# Altium PCB Tracker.PcbDoc (part 1 of 2)
Units mil, origin at the board's own origin, x right, y up, seen from the top; angles counter-clockwise.
Board outline 1769.82 x 1209.03 mil, 4 copper layers (Top Layer, Int1 (GND), Int2 (PWR), Bottom Layer), stack 53.912 mil thick; 87 components, 60 nets, 305 pads, 203 vias.
Unrouted connection lines stored in the file: 5.
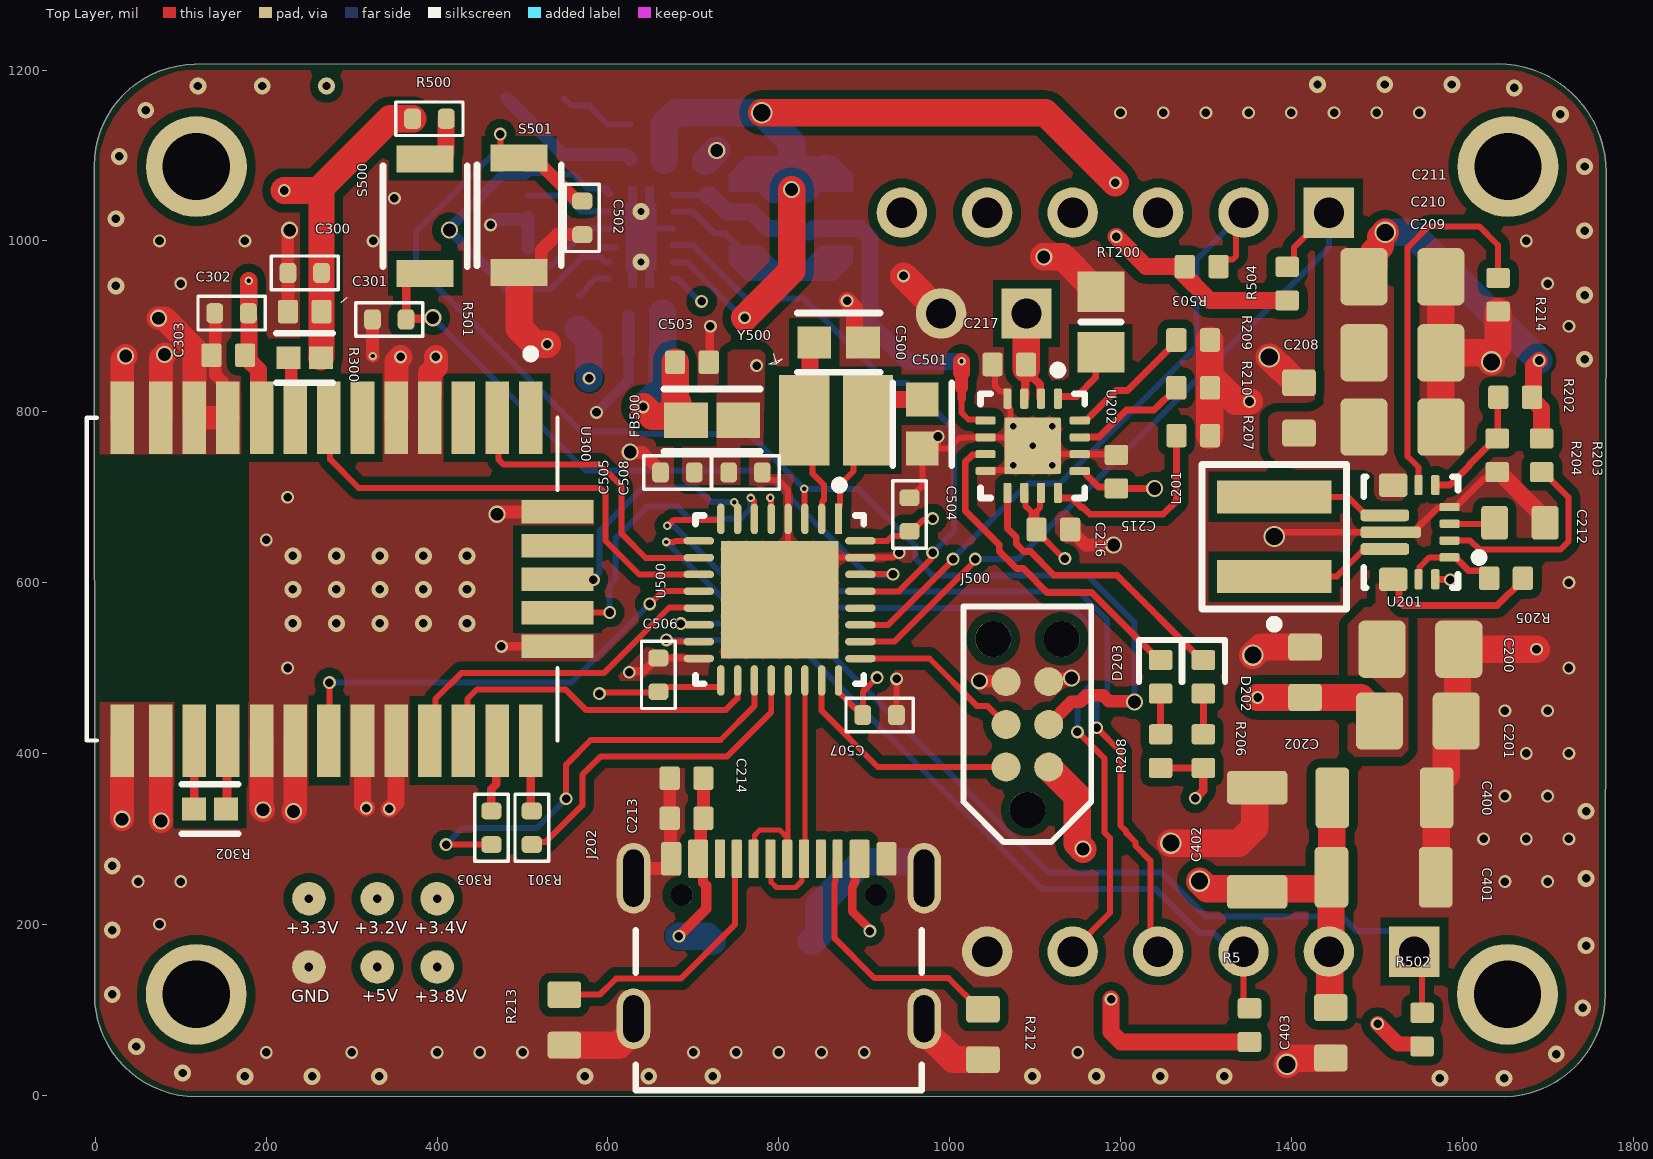
[diagram p0: Top Layer view]
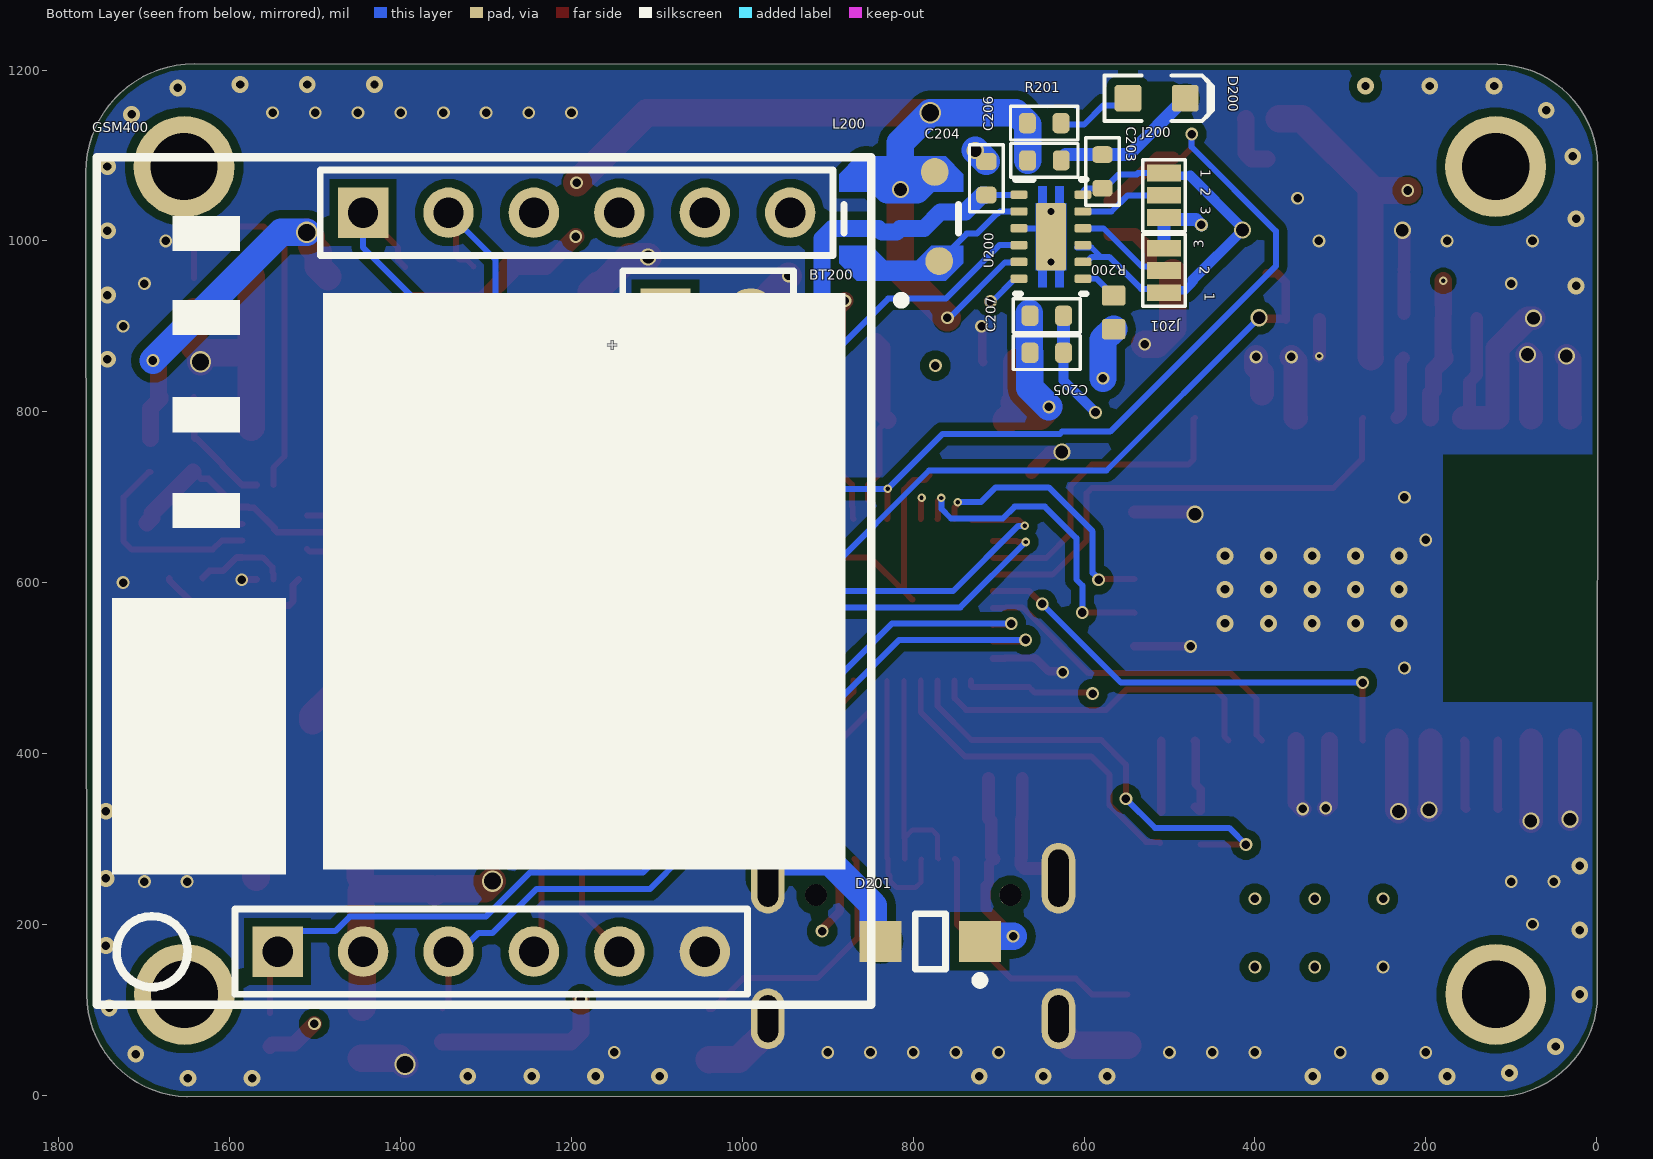
[diagram p1: Bottom Layer view, seen from below]
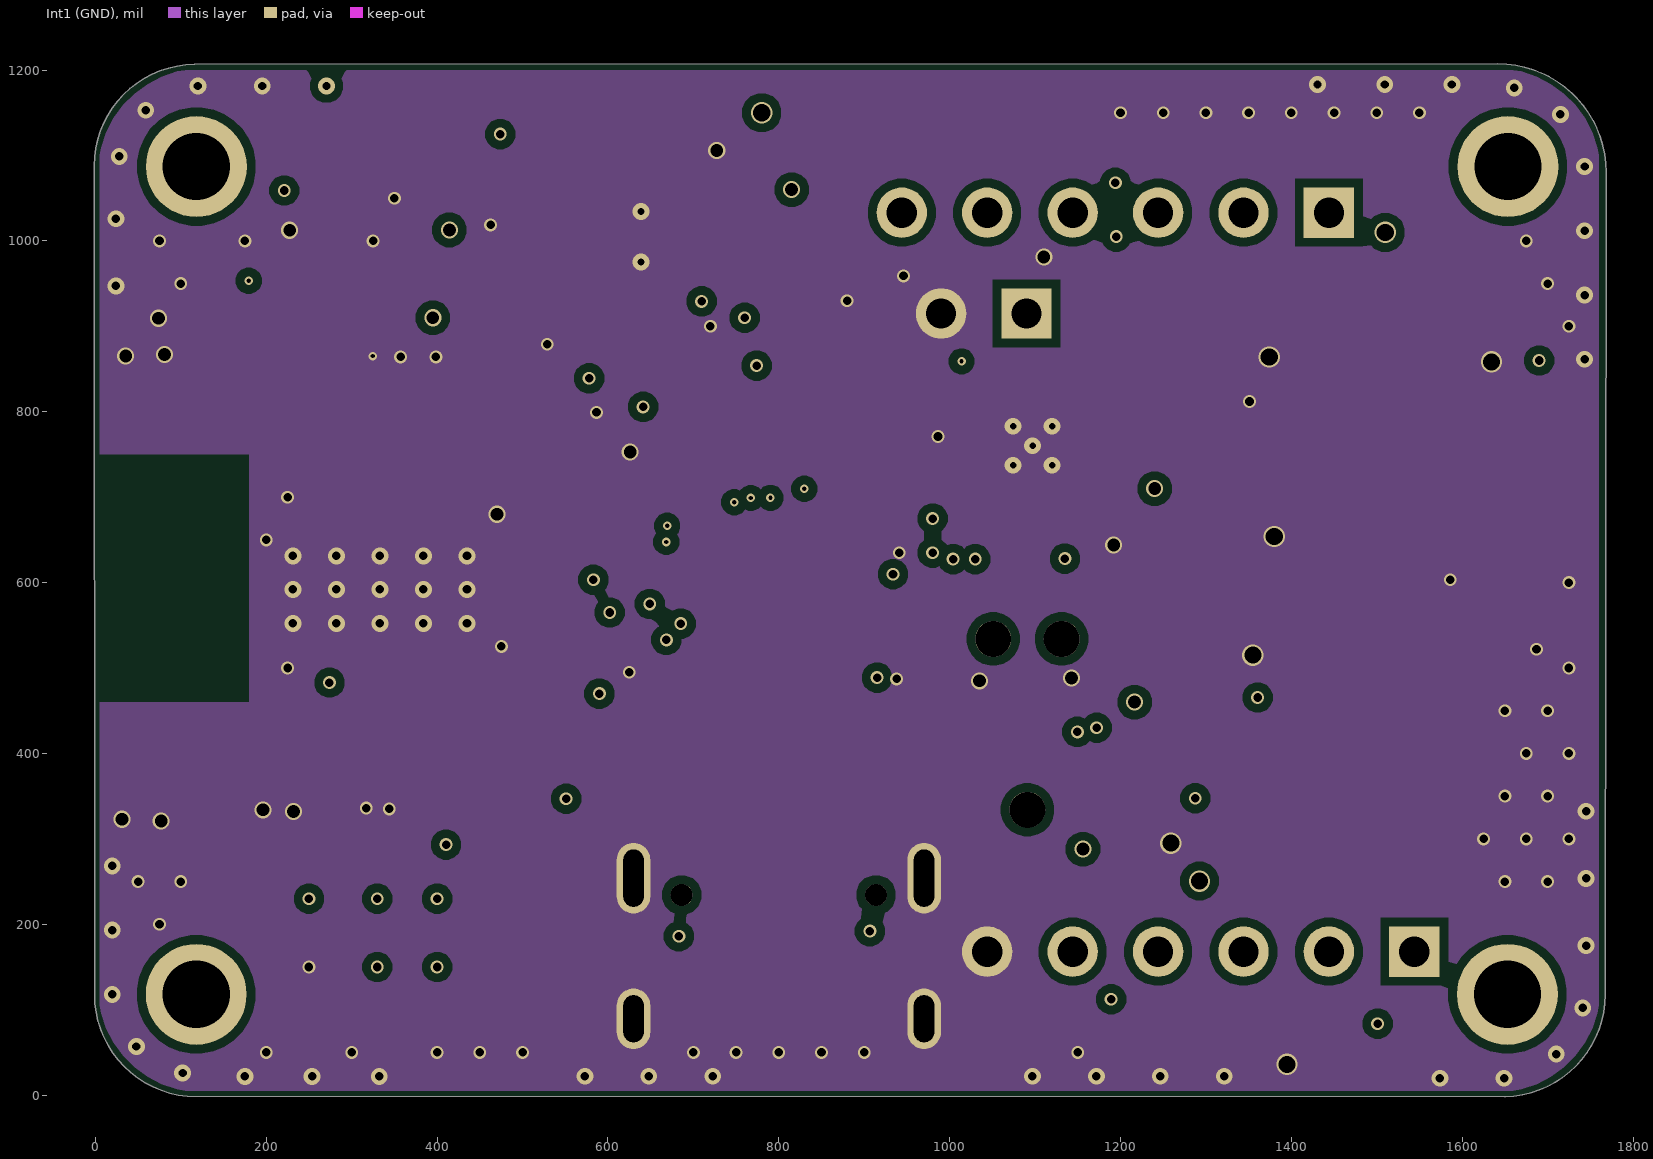
[diagram p2: Int1 (GND)]
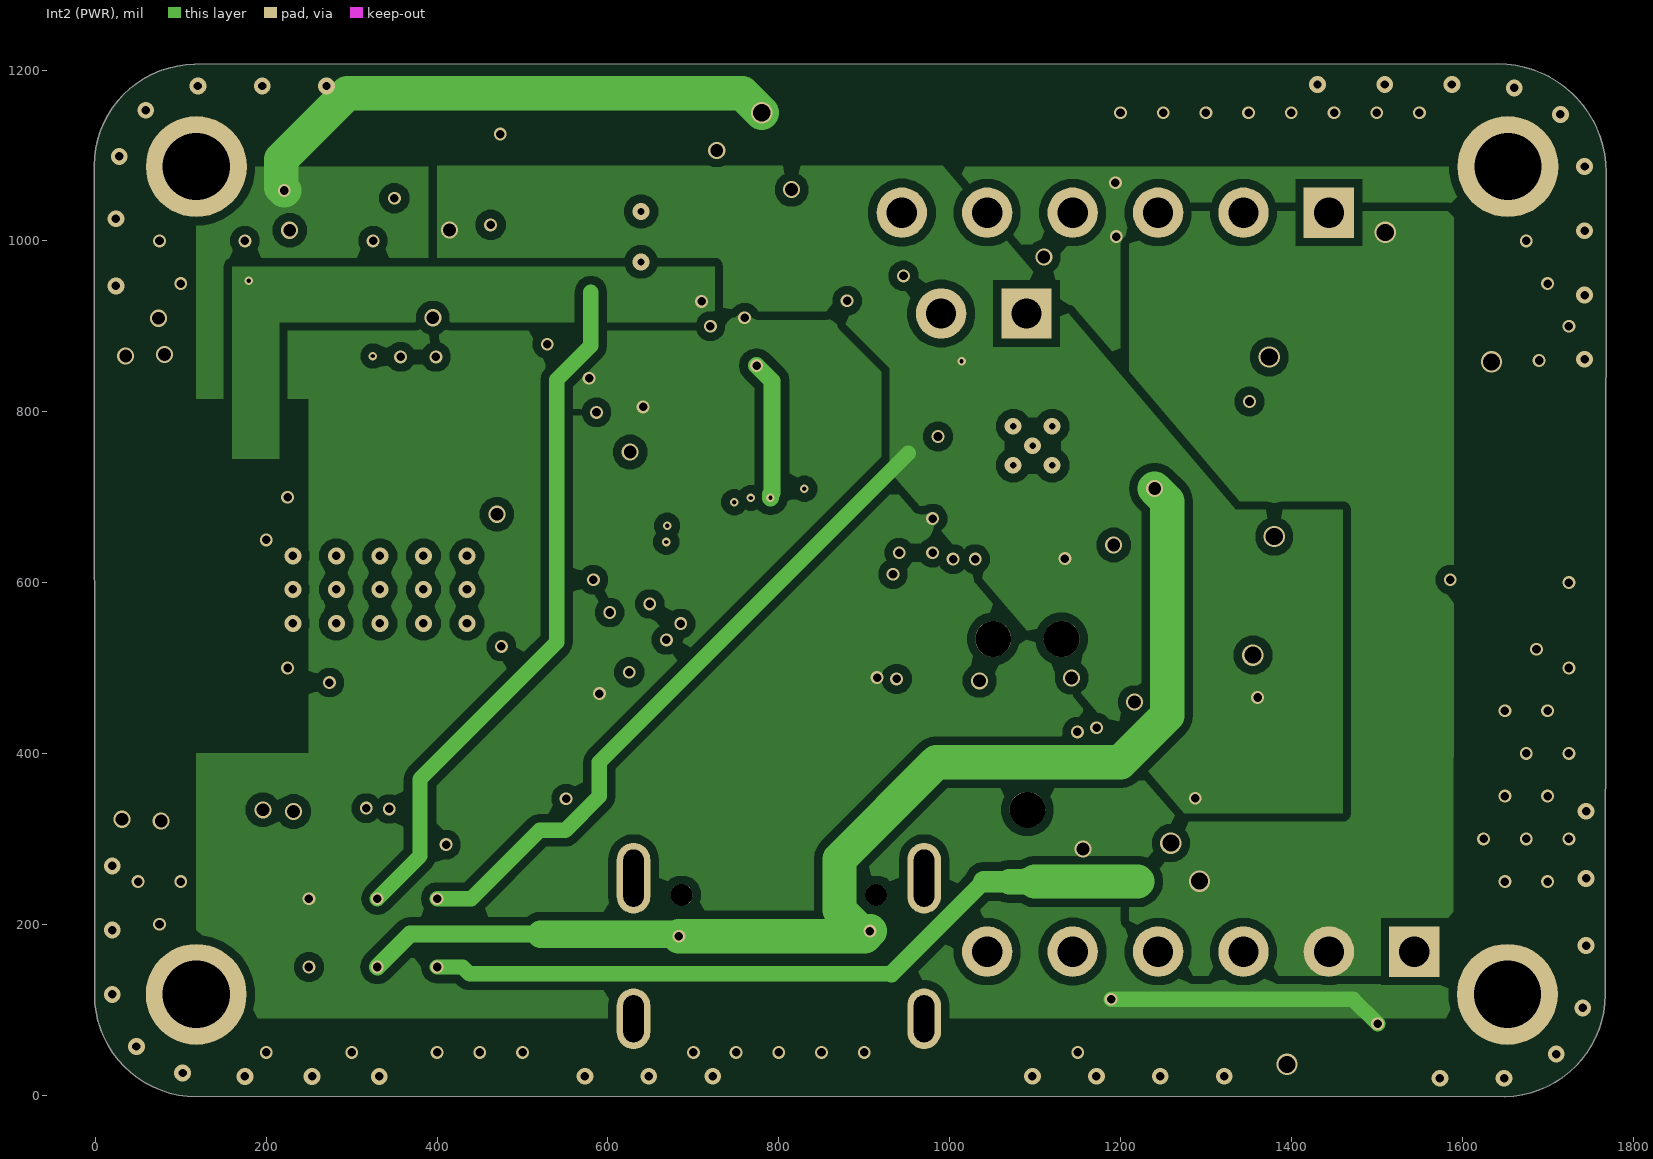
[diagram p3: Int2 (PWR)]
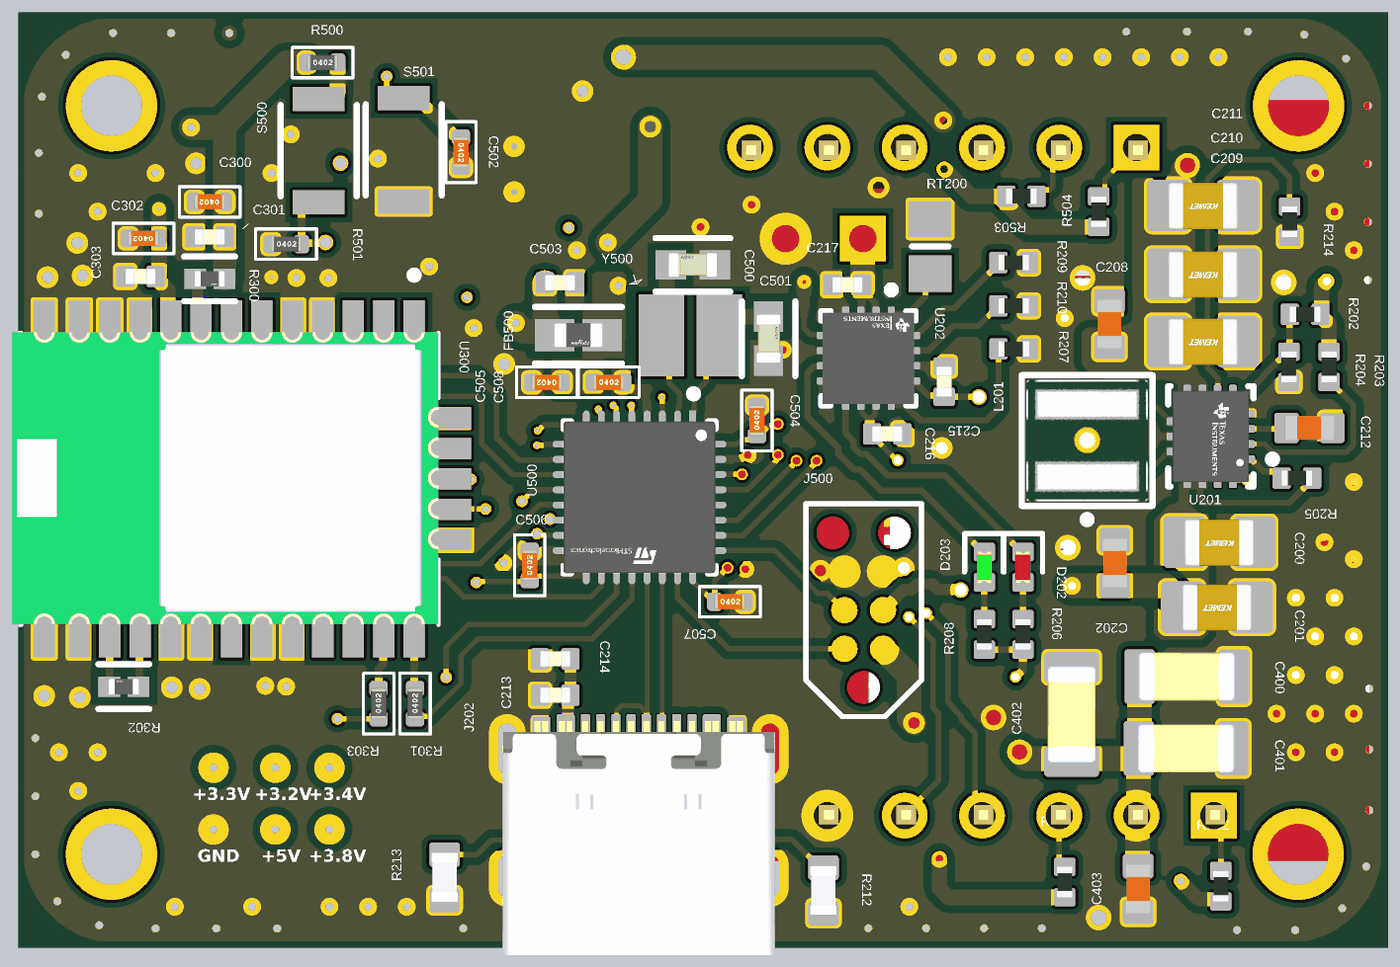
[diagram p5: 3D render of the assembled board from above, using the file's embedded part models]
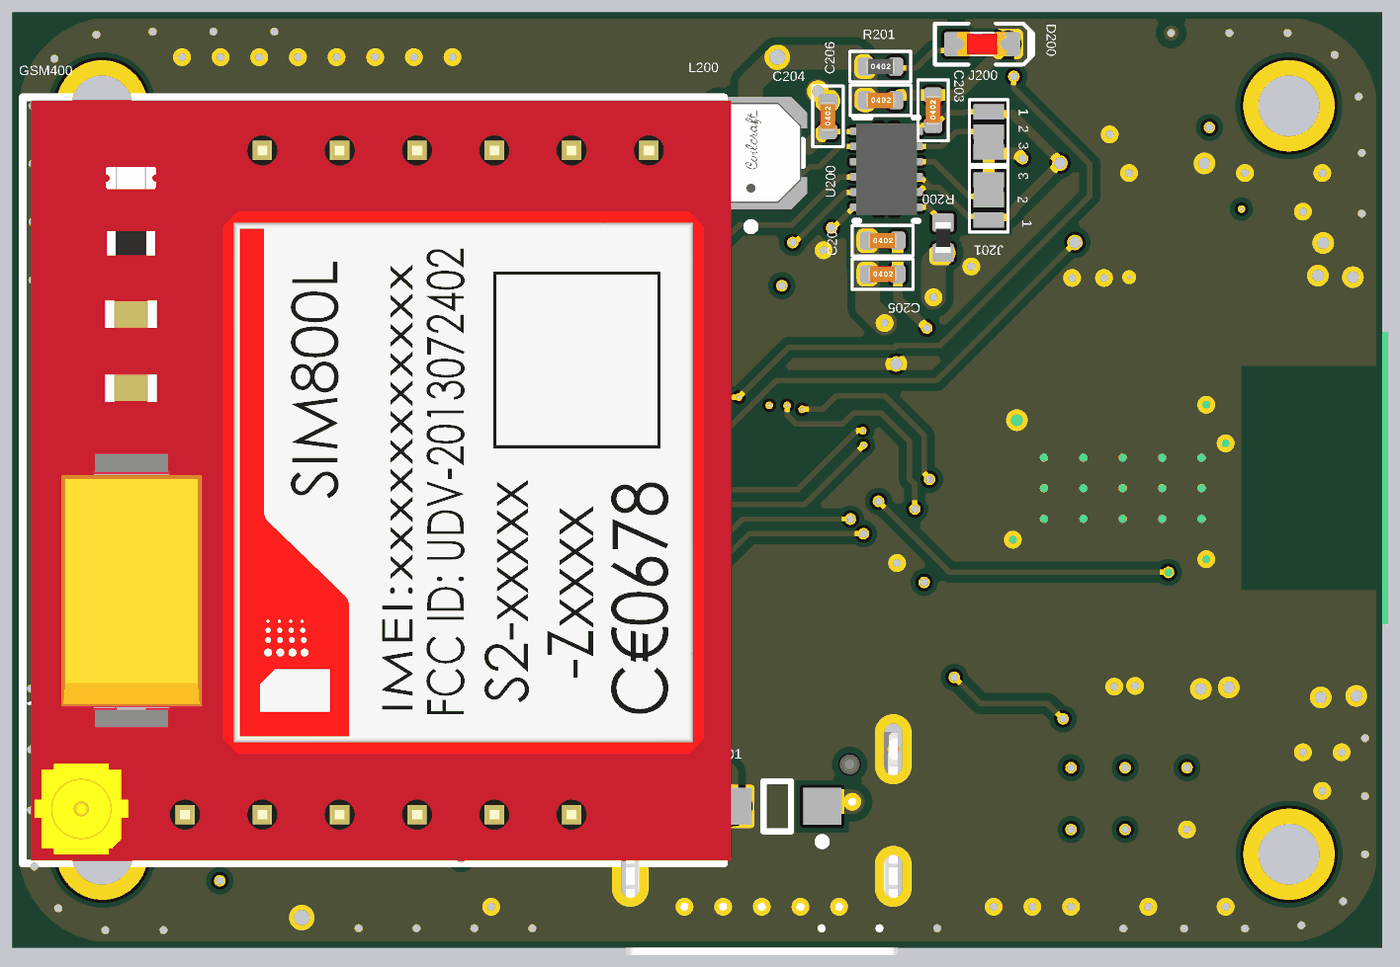
[diagram p6: 3D render of the assembled board from below, using the file's embedded part models]

## Layer stack, top to bottom
Top Solder: solder mask 1, SM-001, Dk 4
Top Layer: signal copper 1.378
Dielectric 1: prepreg 5.1, PP-017, Dk 4.3
Dielectric 2: prepreg 5.1, PP-017, Dk 4.3
Int1 (GND): signal copper 1.378
Dielectric 3: core 28, Core-039, Dk 4.8
Int2 (PWR): signal copper 1.378
Dielectric 4: prepreg 5.1, PP-017, Dk 4.3
Dielectric 5: prepreg 5.1, PP-017, Dk 4.3
Bottom Layer: signal copper 1.378
Bottom Solder: solder mask 1, SM-001, Dk 4

## Board outline
107.33,-1.28 cw(c118.47,117.71) -1.04,117.71 -1.33,1088.13 cw(c117.05,1088.13) 115.93,1206.51 116.05,1206.52 1641.7,1207.22 cw(c1641.71,1080.44) 1768.49,1080.44 1767.27,117.64 1767.27,117.61 cw(c1647.82,117.64) 1650.27,-1.78 1650,-1.8

## Design rules (kind name [scope] priority, off if disabled: settings)
Clearance "Stitching GND" [IsStitchingVia and InNet('GND') vs (IsVia and (Not IsStitchingVia)) Or IsPad] p1: gap=16 ignorepadtopadclearanceinfootprint=FALSE
Clearance [All] p2: gap=8 ignorepadtopadclearanceinfootprint=FALSE except(0: SMDPad-Via SMDPad-Hole Region-Hole; 5: SMDPad-SMDPad; 6: Arc-Text Track-Text SMDPad-Text THPad-Text Via-Text Fill-Text Poly-Text Region-Text Text-Text; 7: Track-THPad SMDPad-THPad; 10: Arc-Poly Arc-Hole Track-Poly Track-Hole SMDPad-Poly THPad-Poly THPad-Hole Via-Poly Via-Hole Fill-Poly Fill-Hole Poly-Poly Poly-Hole; 12: Track-Track; 16: Arc-Arc Arc-Track)
DiffPairsRouting [All] p1: maxlimit=16 minlimit=8 mostfreqgap=11 toplayer_minwidth=6 toplayer_maxwidth=12 toplayer_prefwidth=8 midlayer1_mingap=10 midlayer1_maxgap=10 midlayer1_prefgap=10 midlayer1_minwidth=15 midlayer1_maxwidth=15 midlayer1_prefwidth=15 midlayer2_mingap=10 midlayer2_maxgap=10 midlayer2_prefgap=10 midlayer2_minwidth=15 midlayer2_maxwidth=15 midlayer2_prefwidth=15 bottomlayer_minwidth=6 bottomlayer_maxwidth=12 bottomlayer_prefwidth=8 maxuncoupledlength=500
PolygonConnect [All] p1: connectstyle=Direct reliefconductorwidth=10 reliefentries=4 polygonreliefangle="90 Angle" airgapwidth=10
RoutingVias [All] p1: holewidth=10 width=15 viastyle="Through Hole" minholewidth=5 minwidth=10 maxholewidth=20 maxwidth=25
SilkToSilkClearance [All] p1: silktosilkclearance=1
SolderMaskExpansion [All] p1: expansion=4 istentingtop=FALSE
SupplyNets "Schematic Supply Nets_10" [InNet('VDDA')] p1: voltage=0.000
SupplyNets "Schematic Supply Nets_3" [InNet('VDD')] p2: voltage=0.000
SupplyNets "Schematic Supply Nets_9" [InNet('GND')] p3: voltage=0.000
SupplyNets "Schematic Supply Nets_8" [InNet('V_GSM')] p4: voltage=0.000
SupplyNets "Schematic Supply Nets_7" [InNet('VBUS')] p5: voltage=0.000
SupplyNets "Schematic Supply Nets_5" [InNet('PWR_SYS')] p6: voltage=0.000
SupplyNets "Schematic Supply Nets_2" [InNet('VGPS')] p7: voltage=0.000
UnpouredPolygon [All] p1: allowunpoured=TRUE allowshelved=TRUE
Width [All] p1: maxlimit=40 minlimit=7 preferedwidth=20 toplayer_maxwidth=32 toplayer_prefwidth=10 midlayer1_minwidth=10 midlayer2_minwidth=10 bottomlayer_maxwidth=32 bottomlayer_prefwidth=10 minimp=50.000000 maximp=50.000000 favimp=50.000000
27 further rules are at their usual default settings.
